# KiCad board PCB0210.kicad_pcb (continued)
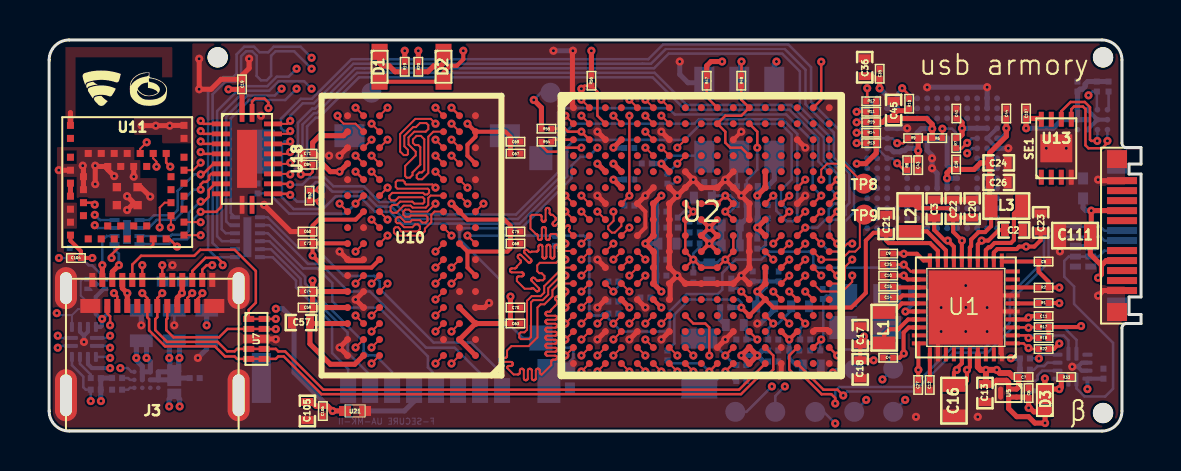
[diagram p0: board, top side]
## Routing (per net, layer and track width the routed paths; a pad name or vN(x,y) marks a point on that pad's centre or on a via; arc(x,y) is an arc through that point) (continued)
USB2_INT_B: length 47.8
  TOP w0.127: v1(37.83,8.58) U2.L15
  SIGNAL_1 w0.127: v1(2.08,1.5) 2.08,1.81 2.65,2.38 7.05,2.38 8.33,3.66 10.75,3.66 14.11,0.3 30.49,0.3 32.62,2.43 32.62,5.47 33,5.85 33,7.1 34.88,8.98 37.43,8.98 v1(37.83,8.58)
  BOTTOM w0.127: v1(2.08,1.5) R58.2 1.83,2.07 1.71,2.19 1.71,2.72 1.14,3.29 U9.6
VSYS_5V: length 15
  TOP w0.254: C7.1 48.5,2.2 U5.A1 U5.B1 48,2.44 47.9,2.54 47.4,2.54 47.21,2.35 C13.1 ; U2.U12 v1(34.63,3.78) U2.T12 v1(35.43,3.78) U2.U12
  TOP w0.3: v1(46.87,3.06) 46.61,3.06 46.47,3.2 46.47,3.83 ; v1(46.87,3.06) 46.87,2.4 C13.1 ; v1(46.87,3.06) v1(47.41,3.06) 47.57,2.9 48.04,2.9 48.24,2.7 C7.1
  BOTTOM w0.254: C49.1 35.68,4.03 v1(35.43,3.78) ; C50.1 35.73,3.48 v1(35.43,3.78) ; U8.B1 U8.C1 5.06,3.47 v1(4.87,3.66) 4.87,4.26 C54.1 4.36,4.27 v1(4.36,3.66) 4.36,3.54 4.66,3.24 U8.B1 ; U8.B1 U8.B2 ; v1(35.43,3.78) v1(34.63,3.78)
Net-(D1-Pad1): length 2
  TOP w0.254: R19.1 17.31,17.98 17.02,18.27 16.67,18.27 16.53,18.41 D1.1
Net-(D2-Pad1): length 2
  TOP w0.254: D2.1 19.73,18.41 19.59,18.27 19.24,18.27 18.95,17.98 R20.1
Net-(L1-Pad1): length 1.9
  TOP w0.203: L1.1 42.21,5.93 42.66,6.38 U1.25
Net-(L2-Pad1): length 2.7
  TOP w0.203: U1.18 44.87,9.05 43.92,9.99 L2.1
Net-(L3-Pad1): length 4
  TOP w0.203: U1.13 46.87,9.05 47.01,9.2 47.09,9.2 47.3,9.41 48.12,9.41 48.27,9.56 48.27,10.88 L3.1
Net-(R1-Pad2): length 1.3
  TOP w0.203: R1.2 49.49,6.38 48.16,6.38
Net-(R2-Pad2): length 1.3
  TOP w0.203: R2.2 49.5,7.19 48.16,7.19
Net-(R3-Pad2): length 2.9
  TOP w0.127: U2.U10 v1(33.03,2.98)
  BOTTOM w0.127: R3.2 31.08,3.38 32.63,3.38 v1(33.03,2.98)
Net-(R4-Pad2): length 0.9
  BOTTOM w0.127: R4.2 53,16.13 U4.C4
Net-(R19-Pad2): length 16.1
  TOP w0.254: U2.E4 v1(28.23,13.38) ; v1(17.79,19.03) R19.2
  GND_POWER_1 w0.254: v1(28.23,13.38) 27.78,12.93 25.93,12.93 24.96,13.9 24.96,16.6 23.84,17.72 18.59,17.72 17.79,18.52 v1(17.79,19.03)
Net-(R20-Pad2): length 14.2
  TOP w0.254: U2.E3 v1(27.43,13.38) ; v1(18.47,19.03) R20.2
  GND_POWER_1 w0.254: v1(27.43,13.38) 26.08,13.38 25.35,14.11 25.35,16.71 23.99,18.07 18.92,18.07 18.47,18.52 v1(18.47,19.03)
Net-(R23-Pad2): length 1.3
  BOTTOM w0.127: R23.2 2.08,2.82 1.54,3.36 U9.5
Net-(R25-Pad2): length 0.6
  BOTTOM w0.127: R25.2 3.95,2.65 4.04,2.56 U8.A2
Net-(R27-Pad2): length 1.5
  BOTTOM w0.127: SW1.5 34.41,13.61 34.41,12.25
Net-(R28-Pad2): length 1.5
  BOTTOM w0.127: U14.5 49.95,3.42 49.78,3.25 49.46,3.25 49.28,3.07 R28.2
Net-(R34-Pad2): length 1.7
  BOTTOM w0.127: R34.2 49.37,2.51 49.45,2.59 49.45,2.78 49.69,3.02 U14.4
Net-(R48-Pad2): length 1.8
  TOP w0.127: v1(34.64,18.49) 34.64,17.79 R48.2
  BOTTOM w0.127: SW1.2 34.53,18.38 v1(34.64,18.49)
Net-(R59-Pad1): length 0.6
  BOTTOM w0.127: R59.1 3.95,2.07 4.04,2.16 U8.A3

## Copper pours and planes (outline as drawn; the poured copper is in the pictures)
GND on TOP: 53.83,-0.12 -0.1,-0.12 -0.1,8.97 0.39,8.97 0.39,14.21 4.26,14.21 4.26,13.56 4.56,13.56 4.56,12.66 5.38,12.66 5.38,10.73 2.8,10.73 2.8,11.64 1.38,11.64 1.38,12.72 0.74,12.72 0.74,11.43 1.39,11.43 1.39,10.12 0.74,10.12 0.74,8.97 7.16,8.97 7.16,14.4 5.65,14.4 5.65,14.82 4.25,14.82 4.25,15.71 7.16,15.71 7.16,19.68 53.83,19.68 53.83,12.27 52.53,12.27 52.53,7.3 53.83,7.3 ; 1 cut-out
GND on BOTTOM: 53.83,-0.12 -0.1,-0.12 -0.1,8.97 0.39,8.97 0.39,14.21 5.65,14.21 5.65,14.82 4.25,14.82 4.25,15.71 7.16,15.71 7.16,19.68 53.83,19.68 53.83,12.27 52.53,12.27 52.53,7.3 53.83,7.3
GND on SIGNAL_1: 53.83,-0.12 -0.1,-0.12 -0.1,8.97 0.39,8.97 0.39,14.21 5.65,14.21 5.65,14.82 4.25,14.82 4.25,15.71 7.16,15.71 7.16,19.68 53.83,19.68
GND on GND_POWER_1: 53.83,12.88 51.23,12.88 51.23,8.78 49.73,8.78 49.73,12.78 39.03,12.78 39.03,6.78 23.73,6.78 23.73,5.98 13.53,5.98 13.53,10.08 7.16,10.08 7.16,19.68 53.83,19.68
GND on GND_POWER_1: 0.39,14.21 5.65,14.21 5.65,14.82 4.25,14.82 4.25,15.71 7.16,15.71 7.16,10.08 6.63,10.08 6.63,9.48 0.39,9.48
GND on GND_POWER_1: 0.39,9.48 0.39,8.97 -0.1,8.97 -0.1,-0.12 3.33,-0.12 3.33,2.38 1.53,2.38 1.53,9.48
GND on GND_POWER_2: -0.1,8.97 -0.1,-0.12 1.63,-0.12 1.63,8.97
GND on GND_POWER_2: 12.73,6.8 22.23,6.8 22.23,3.98 12.73,3.98
GND on GND_POWER_2: 37.43,16.58 37.43,19.68 53.83,19.68 53.83,16.58
GND on GND_POWER_2: 0.39,8.97 0.39,14.21 5.65,14.21 5.65,14.82 4.25,14.82 4.25,15.71 7.16,15.71 7.16,8.97
GND on GND_POWER_2: 27.63,5.98 22.23,5.98 22.23,3.98 26.23,3.98 26.23,3.28 27.63,3.28
GND on SIGNAL_2: 53.83,-0.12 -0.1,-0.12 -0.1,8.97 0.39,8.97 0.39,14.21 5.65,14.21 5.65,14.82 4.25,14.82 4.25,15.71 7.16,15.71 7.16,19.68 53.83,19.68
VDD_ARM_SOC_IN on GND_POWER_2: 47.33,3.28 40.13,3.28 40.13,5.68 46.63,5.68 46.63,10.28 42.03,10.28 42.03,7.88 38.33,7.88 38.33,7.28 33.63,7.28 33.63,7.88 32.73,7.88 32.73,11.98 34.33,11.98 34.33,9.48 36.23,9.48 36.23,11.88 48.13,11.88 48.13,4.38 47.33,4.38
VDD_HIGH_CAP on GND_POWER_2: 30.93,4.78 39.63,4.78 39.63,3.28 28.13,3.28 28.13,5.98 30.33,5.98 30.33,6.38 30.93,6.38
/Bluetooth/ANT_PCB on TOP: 0.89,15.47 0.89,15.65 0.81,15.71 0.81,19.21 6.16,19.21 6.16,17.7 5.65,17.7 5.65,18.7 1.32,18.7 1.32,15.71 1.24,15.65 1.24,15.47
/PMIC/VSNVS_3V on GND_POWER_1: 43.23,3.38 43.73,3.38 43.73,6.61 51.23,6.61 51.23,3.88 44.63,3.88 44.63,2.78 43.23,2.78
/PMIC/VSYS on GND_POWER_1: 46.93,8.28 51.23,8.28 51.23,7.08 50.75,7.08 50.75,6.98 50.33,6.98 50.33,7.08 43.23,7.08 43.23,3.88 43.03,3.88 43.03,3.68 42.73,3.68 42.73,2.48 45.13,2.48 45.13,3.38 46.13,3.38 46.13,1.98 41.93,1.98 41.93,9.78 46.93,9.78
/USB/USB1_VBUS on GND_POWER_1: 53.83,12.28 53.83,-0.12 49.03,-0.12 49.03,3.28 51.73,3.28 51.73,12.28
/USB/USB2_VBUS on GND_POWER_1: 8.13,7.08 8.13,5.08 6.93,5.08 6.93,3.38 5.63,3.38 5.63,4.68 3.33,4.68 3.33,2.88 2.03,2.88 2.03,7.08
/USB/USB_VBUS on GND_POWER_2: 25.73,2.78 48.33,2.78 48.33,1.78 51.03,1.78 51.03,-0.12 5.73,-0.12 5.73,2.08 7.23,2.08 7.23,4.68 12.23,4.68 12.23,3.38 25.73,3.38
BT_3V3 on GND_POWER_1: 13.03,9.58 13.03,5.48 24.23,5.48 24.23,6.28 39.53,6.28 39.53,12.28 49.23,12.28 49.23,8.78 47.43,8.78 47.43,10.28 41.43,10.28 41.43,4.78 33.93,4.78 33.93,3.58 11.63,3.58 11.63,7.58 1.93,7.58 1.93,8.97 7.16,8.97 7.16,9.58
DCDC_3V3 on GND_POWER_2: 36.93,16.08 53.83,16.08 53.83,-0.12 51.53,-0.12 51.53,2.28 48.83,2.28 48.83,3.28 47.91,3.28 47.91,3.9 48.63,3.9 48.63,12.38 35.73,12.38 35.73,9.98 34.83,9.98 34.83,12.48 28.53,12.48 28.53,12.28 27.93,12.28 27.93,12.48 24.03,12.48 24.03,17.28 12.23,17.28 12.23,5.18 6.73,5.18 6.73,2.58 5.23,2.58 5.23,-0.12 2.13,-0.12 2.13,8.48 7.73,8.48 7.73,19.68 36.93,19.68
DDR_1V35 on GND_POWER_2: 23.53,11.98 27.93,11.98 27.93,11.78 28.53,11.78 28.53,11.98 32.23,11.98 32.23,7.38 33.13,7.38 33.13,6.78 38.83,6.78 38.83,7.38 42.53,7.38 42.53,9.78 46.13,9.78 46.13,6.18 39.63,6.18 39.63,5.28 31.43,5.28 31.43,6.78 29.63,6.78 29.63,6.48 22.73,6.48 22.73,7.28 12.73,7.28 12.73,16.78 23.53,16.78
VSYS_5V on GND_POWER_1: 3.83,4.18 5.13,4.18 5.13,2.88 7.43,2.88 7.43,4.58 8.63,4.58 8.63,7.08 11.13,7.08 11.13,3.08 34.43,3.08 34.43,4.28 41.43,4.28 41.43,1.48 46.63,1.48 46.63,3.38 48.53,3.38 48.53,-0.12 3.83,-0.12

## Text on the board
BOTTOM: F-SECURE UA-MK-II
B.Silkscreen: ← eMMC    μSD → | SE2 | Mk II | usb armory
F.Silkscreen: SE1 | usb armory | β
